# KiCad board TFLN_AI_NODE_X2_routed.kicad_pcb (continued)
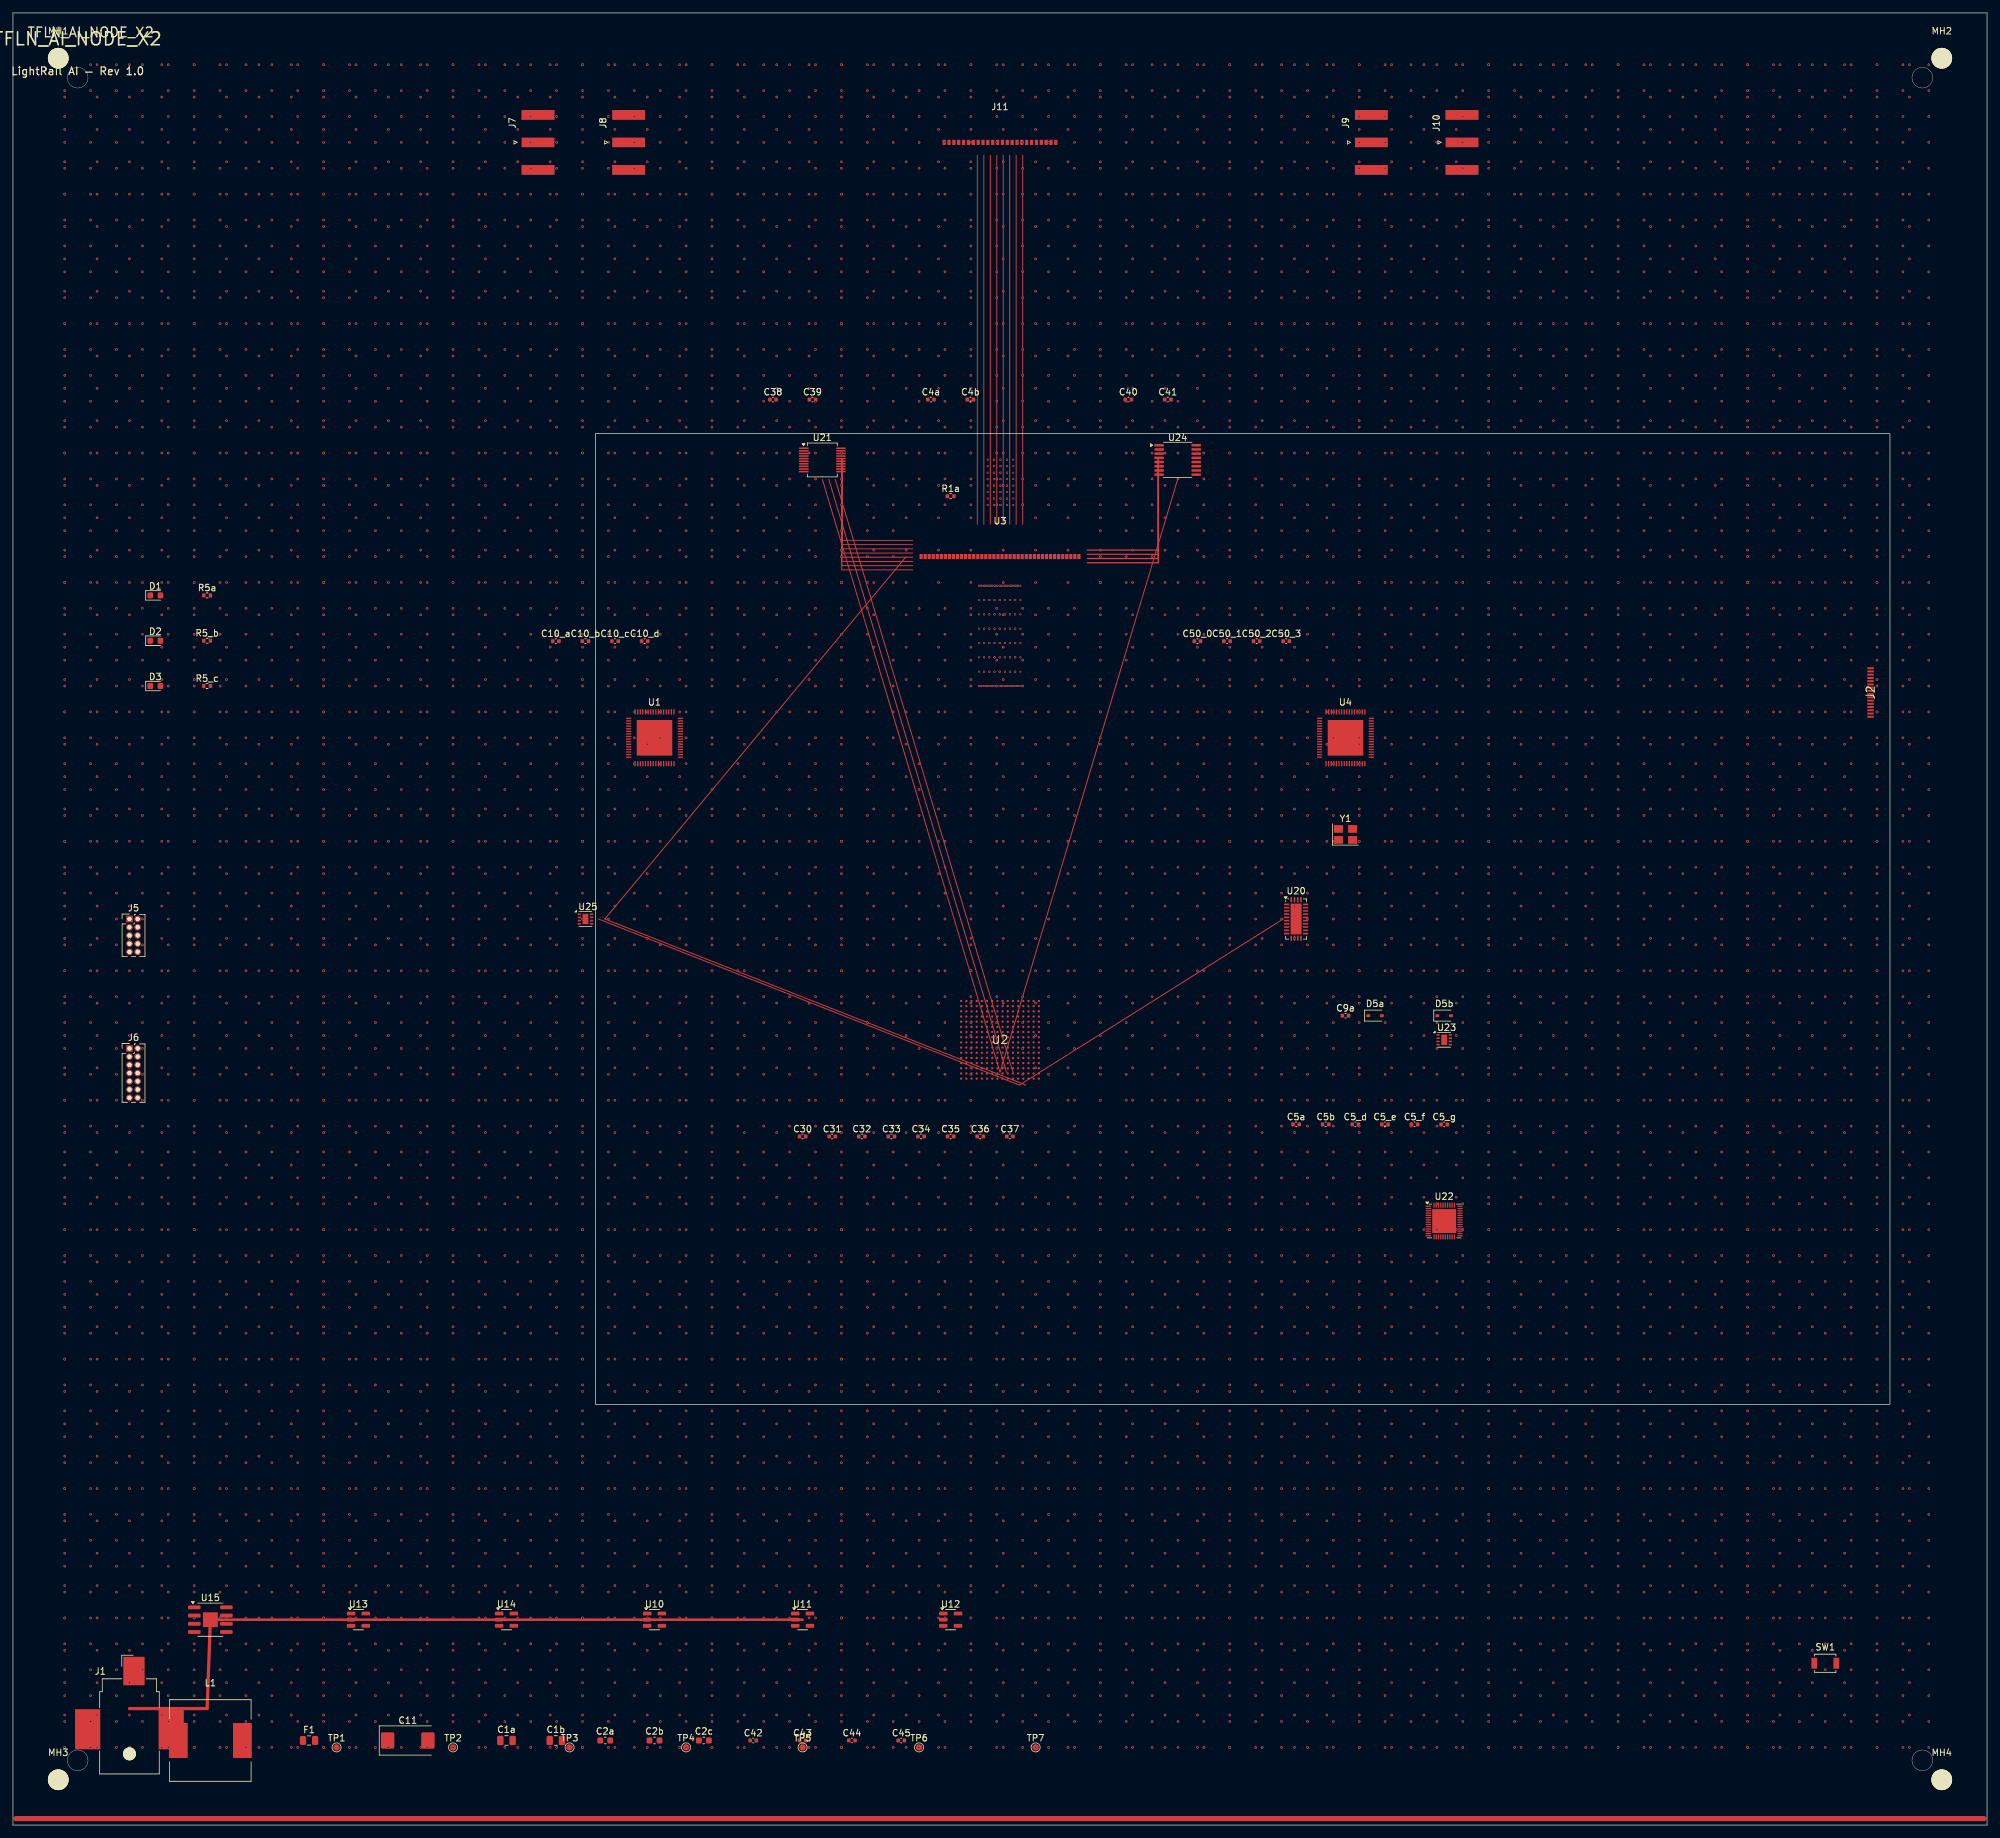
[diagram p0: board, top side]
## Nets
+0V9: C4b.1 C30.1 C31.1 C32.1 C33.1 TP6.1 U1.1 U1.2 U1.63 U4.1 U4.2 U4.63 U10.4
+1V0: C4a.1 C38.1 C39.1 C40.1 C41.1 TP5.1 U2.1 U2.2 U12.4
+1V8: C2b.1 C2c.1 C5b.1 C34.1 C35.1 C36.1 C37.1 C42.1 C43.1 C44.1 C45.1 C50_0.1 C50_1.1 C50_2.1 C50_3.1 TP4.1 U1.3 U1.4 U1.64 U2.3 U2.4 U3.1 U4.3 U4.4 U4.64 U10.1 U10.2 U11.4 U12.1 U12.2 U14.4 U20.2 U20.25 U20.26 U20.27
+3V3: C2a.1 C5_d.1 C5_e.1 C5_f.1 C5_g.1 C5a.1 J5.4 J6.1 R1a.1 R5a.1 TP3.1 U11.1 U11.2 U13.4 U14.1 U14.2 U20.1 U20.13 U21.1 U21.2 U21.17 U22.1 U22.2 U23.3 U23.7 U23.8 U24.1 U24.2 U24.13 U24.14 U25.1 Y1.1 Y1.2
+5V: C1b.1 L1.2 TP2.1 U13.1 U13.2
+5V_USB: J2.1
+12V: C1a.1 C11.1 F1.2 TP1.1 U15.2 U15.3
+12V_RAW: F1.1 J1.1
GND: C1a.2 C1b.2 C2a.2 C2b.2 C2c.2 C4a.2 C4b.2 C5_d.2 C5_e.2 C5_f.2 C5_g.2 C5a.2 C5b.2 C9a.2 C11.2 C30.2 C31.2 C32.2 C33.2 C34.2 C35.2 C36.2 C37.2 C38.2 C39.2 C40.2 C41.2 C42.2 C43.2 C44.2 C45.2 C50_0.2 C50_1.2 C50_2.2 C50_3.2 D1.2 D2.2 D3.2 D5a.2 D5b.2 J1.2 J2.8 J2.9 J5.2 J5.6 J6.2 J7.2 J8.2 J9.2 J10.2 SW1.2 TP7.1 U1.5 U1.6 U1.7 U1.8 U1.61 U1.62 U2.5 U2.6 U2.7 U2.8 U3.2 U3.3 U4.5 U4.6 U4.7 U4.8 U4.61 U4.62 U10.3 U11.5 U12.5 U13.5 U14.5 U15.4 U15.7 U20.3 U20.4 U20.6 U20.7 U20.8 U20.28 U21.3 U21.4 U21.18 U22.3 U22.4 U23.4 U24.3 U24.4 U24.12 U25.2 U25.6 U25.8 Y1.3
AXI_ACLK: U1.9 U2.9
AXI_ACLK_B: U4.9
AXI_ARADDR: U1.19
AXI_ARADDR_B: U4.19
AXI_ARESETN: U1.10 U2.10
AXI_ARESETN_B: U4.10
AXI_ARREADY: U1.21
AXI_ARREADY_B: U4.21
AXI_ARVALID: U1.20
AXI_ARVALID_B: U4.20
AXI_AWADDR: U1.11 U2.11
AXI_AWADDR_B: U4.11
AXI_AWREADY: U1.13
AXI_AWREADY_B: U4.13
AXI_AWVALID: U1.12 U2.12
AXI_AWVALID_B: U4.12
AXI_BRESP: U1.17
AXI_BRESP_B: U4.17
AXI_BVALID: U1.18
AXI_BVALID_B: U4.18
AXI_RDATA: U1.22 U2.15
AXI_RDATA_B: U4.22
AXI_RVALID: U1.23 U2.16
AXI_RVALID_B: U4.23
AXI_WDATA: U1.14 U2.13
AXI_WDATA_B: U4.14
AXI_WREADY: U1.16
AXI_WREADY_B: U4.16
AXI_WVALID: U1.15 U2.14
AXI_WVALID_B: U4.15
BOOT_5V: U15.1
CLK_12M: U22.11
CLK_12M_OUT: U22.12
CLK_100M: U20.5 Y1.4
CLK_100M_BUF: U20.23
CLK_100M_BUF_N: U20.24
CLK_CORE: U1.24 U2.25 U4.24 U20.15
CLK_CORE_N: U20.16
CLK_HBM: U20.21
CLK_HBM_N: U20.22
CLK_REF: U1.25 U2.26 U4.25 U20.17
CLK_REF_N: U20.18
CLK_SERDES: U20.19
CLK_SERDES_N: U20.20
COMP_5V: U15.6
DAC_V1: U3.12 U24.5
DAC_V2: U3.13 U24.6
DAC_V3: U3.14 U24.7
DAC_V4: U3.15 U24.8
FB_5V: U15.5
FLASH_CS: U2.20 U23.1
FLASH_MISO: U2.18 U23.2
FLASH_MOSI: U2.17 U23.5
FLASH_SCK: U2.19 U23.6
FPGA_GPIO0: J6.3 U2.29
FPGA_GPIO1: J6.4 U2.30
FPGA_GPIO2: J6.5 U2.31
FPGA_GPIO3: J6.6 U2.32
FT_PWREN: U22.21
FT_RXLED: R5_c.1 U22.23
FT_TXLED: R5_b.1 U22.22
HBM_DQ0: U1.41
HBM_DQ0_B: U4.41
HBM_DQ1: U1.42
HBM_DQ1_B: U4.42
HBM_DQ2: U1.43
HBM_DQ2_B: U4.43
HBM_DQ3: U1.44
HBM_DQ3_B: U4.44
HBM_DQ4: U1.45
HBM_DQ4_B: U4.45
HBM_DQ5: U1.46
HBM_DQ5_B: U4.46
HBM_DQ6: U1.47
HBM_DQ6_B: U4.47
HBM_DQ7: U1.48
HBM_DQ7_B: U4.48
I2C_SCL: J6.13 U1.49 U4.49 U20.10 U25.4
I2C_SDA: J6.14 U1.50 U4.50 U20.9 U25.3
JTAG_TCK: J5.1 U1.26 U2.21
JTAG_TCK_B: U4.26
JTAG_TDI: J5.9 U1.28 U2.23
JTAG_TDI_B: U4.28
JTAG_TDO: J5.3 U1.29 U2.24
JTAG_TDO_B: U4.29
JTAG_TMS: J5.5 U1.27 U2.22
JTAG_TMS_B: U4.27
JTAG_TRST: J5.10
LED_A: D1.1 R5a.2
LED_D2: D2.1 R5_b.2
LED_D3: D3.1 R5_c.2
MON_CH0: U3.25 U21.5
MON_CH1: U3.26 U21.6
MON_CH2: U3.27 U21.7
MON_CH3: U3.28 U21.8
MON_CH4: U3.29 U21.9
MON_CH5: U3.30 U21.10
MON_CH6: U3.31 U21.11
MON_CH7: U3.32 U21.12
NCE_GPIO0: U1.53
NCE_GPIO0_B: U4.53
NCE_GPIO1: U1.54
NCE_GPIO1_B: U4.54
NCE_GPIO2: U1.55
NCE_GPIO2_B: U4.55
NCE_GPIO3: U1.56
NCE_GPIO3_B: U4.56
NCE_PG: U1.58
NCE_PG_B: U4.58
NCE_STATUS: U1.59
NCE_STATUS_B: U4.59
NR_0V9: U10.5
NR_1V0: U12.3
NR_1V8: U11.3
NR_1V8F: U14.3
NR_3V3: U13.3
OPT_RX0: J11.5 U3.21
OPT_RX1: J11.6 U3.22
OPT_RX2: J11.7 U3.23
OPT_RX3: J11.8 U3.24
OPT_TX0: J11.1 U3.17
OPT_TX1: J11.2 U3.18
OPT_TX2: J11.3 U3.19
OPT_TX3: J11.4 U3.20
PLL_LOL: U20.12 U20.14
RESET_N: C9a.1 R1a.2 SW1.1 U1.60 U4.60 U20.11 U22.7
SMA_J7: C10_a.2 J7.1
SMA_J8: C10_b.2 J8.1
SMA_J9: C10_c.2 J9.1
SMA_J10: C10_d.2 J10.1
SPI_CLK: U1.30 U4.30 U21.13 U24.9
SPI_CS_ADC: U21.16
SPI_CS_DAC: U24.10
SPI_MISO: U1.32 U21.15
SPI_MISO_B: U4.32
SPI_MOSI: U1.31 U21.14 U24.11
SPI_MOSI_B: U4.31
SW_5V: L1.1 U15.8
TEMP_ALERT: U1.57 U25.5
TEMP_ALERT_B: U4.57
TEMP_DIODE: U3.16 U25.7
TFLN_TX_N0: C10_b.1 U1.34 U3.5
TFLN_TX_N0_B: U4.34
TFLN_TX_N1: C10_d.1 U1.36 U3.7
TFLN_TX_N1_B: U4.36
TFLN_TX_N2: U1.38 U3.9
TFLN_TX_N2_B: U4.38
TFLN_TX_N3: U1.40 U3.11
TFLN_TX_N3_B: U4.40
TFLN_TX_P0: C10_a.1 U1.33 U3.4
TFLN_TX_P0_B: U4.33
TFLN_TX_P1: C10_c.1 U1.35 U3.6
TFLN_TX_P1_B: U4.35
TFLN_TX_P2: U1.37 U3.8
TFLN_TX_P2_B: U4.37
TFLN_TX_P3: U1.39 U3.10
TFLN_TX_P3_B: U4.39
UART_CTS: U22.16
UART_RTS: U22.15
UART_RX: U1.52 U2.28 U22.14
UART_RX_B: U4.52
UART_TX: U1.51 U2.27 U22.13
UART_TX_B: U4.51
USB_DN: D5b.1 J2.5 U22.6
USB_DP: D5a.1 J2.4 U22.5

Pads without a net: J1 3; J2 2 3 6 7 10 11 12 13 14 15 16; J5 7 8; J6 7 8 9 10 11 12; J11 9 10 11 12 13 14 15 16 17 18 19 20 21 22 23 24; U1 65; U2 33 34 35 36 37 38 39 40 41 42 43 44 45 46 47 48 49 50 51 52 53 54 55 56 57 58 59 60 61 62 63 64 65 66 67 68 69 70 71 72 73 74 75 76 77 78 79 80 81 82 83 84 85 86 87 88 89 90 91 92 93 94 95 96 97 98 99 100 101 102 103 104 105 106 107 108 109 110 111 112 113 114 115 116 117 118 119 120 121 122 123 124 125 126 127 128 129 130 131 132 133 134 135 136 137 138 139 140 141 142 143 144 145 146 147 148 149 150 151 152 153 154 155 156 157 158 159 160 161 162 163 164 165 166 167 168 169 170 171 172 173 174 175 176 177 178 179 180 181 182 183 184 185 186 187 188 189 190 191 192 193 194 195 196 197 198 199 200 201 202 203 204 205 206 207 208 209 210 211 212 213 214 215 216 217 218 219 220 221 222 223 224 225 226 227 228 229 230 231 232 233 234 235 236 237 238 239 240 241 242 243 244 245 246 247 248 249 250 251 252 253 254 255 256; U3 33 34 35 36 37 38 39 40; U4 65; U15 9; U20 29; U21 19 20; U22 8 9 10 17 18 19 20 24 25 26 27 28 29 30 31 32 33 34 35 36 37 38 39 40 41 42 43 44 45 46 47 48 49; U23 9; U24 15 16; U25 9

## Via types
v1: diameter 0.4, hole 0.2, Top to Bottom, 7871 vias
v2: diameter 0.3, hole 0.15, Top to Bottom, 224 vias

## Routing (per net, layer and track width the routed paths; a pad name or vN(x,y) marks a point on that pad's centre or on a via; arc(x,y) is an arc through that point)
+0V9:
  vias: v1(96,164) v1(140,12)
+1V0:
  vias: v1(172,220)
+1V8:
  vias: v1(68,47) v1(73,47) v1(104,12) v1(143,32) v1(144,32) v1(148,127) v1(204,164)
+3V3:
  vias: v1(63,47) v1(93,37) v1(108,37) v1(183,212) v1(204,152) v1(216,108)
+5V: length 91.5
  Top w0.4: 30.5,31.73 122,31.73
  vias: v1(36,12) v1(63,27) v1(63,22) v1(68,12) v1(68,12) v1(78,37)
+12V: length 25.7
  Top w0.5: 18,18 30,18 30.5,31.73
  vias: v1(28,32) v1(28,32) v1(58,12)
+12V_RAW:
  vias: v1(18,22) v1(20,24)
GND: length 1645.5
  Top w0.15: 153,201 153,258 ; 152,201 152,258 ; 156,201 156,258
  Top w0.8: 0.5,1 304.5,1
  In4.Cu (L5 AXI_B) w0.1: 197.88,158 157.5,127.83 ; 197.88,162 157.5,125.83 ; 197.88,163 157.5,125.33 ; 197.88,164 157.5,124.83 ; 197.88,165 157.5,124.33 ; 197.88,159 157.5,127.33 ; 197.88,161 157.5,126.33 ; 197.88,160 157.5,126.83
  In5.Cu (L6 GND) w0.1: 101.12,167.78 150.5,167.78 ; 101.12,168 150.5,168
  In5.Cu (L6 GND) w0.15: 101.12,167.87 150.5,167.87 ; 101.12,166.36 150.5,166.36 ; 101.12,168.27 150.5,168.27
  In6.Cu (L7 TFLN/HBM) w0.1: v2(151.3,191.5) v2(151.3,176) ; v2(151.1,191.5) v2(151.1,176) ; 152,203.97 152,211.97 ; 152.2,203.97 152.2,211.97 ; v2(152.1,191.5) v2(152.1,176) ; 153,203.97 153,211.97 ; v2(151.9,191.5) v2(151.9,176) ; 153.2,203.97 153.2,211.97
  In6.Cu (L7 TFLN/HBM) w0.15: 152.4,203.97 152.4,211.97 ; 151.4,203.97 151.4,211.97 ; 153.75,203.97 153.75,211.97 ; 154.4,203.97 154.4,211.97 ; 151.72,191.5 151.72,176 ; 152.75,203.97 152.75,211.97 ; 151.57,191.5 151.57,176 ; 153.4,203.97 153.4,211.97 ; 150.77,191.5 150.77,176 ; 152.37,191.5 152.37,176 ; 151.75,203.97 151.75,211.97 ; 150.75,203.97 150.75,211.97 ; 150.93,191.5 150.93,176
  In7.Cu (L8 TFLN_B/HBM_B) w0.1: v2(152.9,191.5) v2(152.9,176) ; v2(152.7,191.5) v2(152.7,176) ; v2(153.5,191.5) v2(153.5,176) ; v2(155.3,191.5) v2(155.3,176) ; v2(154.3,191.5) v2(154.3,176) ; v2(155.1,191.5) v2(155.1,176) ; v2(154.5,191.5) v2(154.5,176) ; v2(153.7,191.5) v2(153.7,176)
  In7.Cu (L8 TFLN_B/HBM_B) w0.15: 154.12,191.5 154.12,176 ; 153.97,191.5 153.97,176 ; 154.77,191.5 154.77,176 ; 154.93,191.5 154.93,176 ; 153.32,191.5 153.32,176 ; 153.17,191.5 153.17,176 ; 155.57,191.5 155.57,176 ; 152.53,191.5 152.53,176
  In16.Cu (L17 Sig) w0.1: 147.5,119.93 157.5,119.93
  vias: v1(8,272) v1(8,272) v1(8,268) v1(8,267) v1(8,264) v1(8,262) v1(8,260) v1(8,257) v1(8,256) v1(8,252) v1(8,252) v1(8,248) v1(8,247) v1(8,244) v1(8,242) v1(8,240) v1(8,237) v1(8,236) v1(8,232) v1(8,232) v1(8,228) v1(8,227) v1(8,224) v1(8,222) v1(8,220) v1(8,217) v1(8,216) v1(8,212) v1(8,212) v1(8,208) v1(8,207) v1(8,204) v1(8,202) v1(8,200) v1(8,197) v1(8,196) v1(8,192) v1(8,192) v1(8,188) v1(8,187) v1(8,184) v1(8,182) v1(8,180) v1(8,177) v1(8,176) v1(8,172) v1(8,172) v1(8,168) v1(8,167) v1(8,164) v1(8,162) v1(8,160) v1(8,157) v1(8,156) v1(8,152) v1(8,152) v1(8,148) v1(8,147) v1(8,144) v1(8,142) v1(8,140) v1(8,137) v1(8,136) v1(8,132) v1(8,132) v1(8,128) v1(8,127) v1(8,124) v1(8,122) v1(8,120) v1(8,117) v1(8,116) v1(8,112) v1(8,112) v1(8,108) v1(8,107) v1(8,104) v1(8,102) v1(8,100) v1(8,97) v1(8,96) v1(8,92) v1(8,92) v1(8,88) v1(8,87) v1(8,84) v1(8,82) v1(8,80) v1(8,77) v1(8,76) v1(8,72) v1(8,72) v1(8,68) v1(8,67) v1(8,64) v1(8,62) v1(8,60) v1(8,57) v1(8,56) v1(8,52) v1(8,52) v1(8,48) v1(8,47) v1(8,44) v1(8,42) v1(8,40) v1(8,37) v1(8,36) v1(8,32) v1(8,32) v1(8,28) v1(8,27) v1(8,24) v1(8,22) v1(8,20) v1(8,17) v1(8,16) v1(8,12) v1(8,12) v1(12,272) v1(12,268) v1(12,264) v1(12,260) v1(12,256) v1(12,252) v1(12,248) v1(12,244) v1(12,240) v1(12,236) v1(12,232) v1(12,228) v1(12,224) v1(12,220) v1(12,216) v1(12,212) v1(12,208) v1(12,204) v1(12,200) v1(12,196) v1(12,192) v1(12,188) v1(12,184) v1(12,180) v1(12,176) v1(12,172) v1(12,168) v1(12,164) v1(12,160) v1(12,156) v1(12,152) v1(12,148) v1(12,144) v1(12,140) v1(12,136) v1(12,132) v1(12,128) v1(12,124) v1(12,120) v1(12,116) v1(12,112) v1(12,108) v1(12,104) v1(12,100) v1(12,96) v1(12,92) v1(12,88) v1(12,84) v1(12,80) v1(12,76) v1(12,72) v1(12,68) v1(12,64) v1(12,60) v1(12,56) v1(12,52) v1(12,48) v1(12,44) v1(12,40) v1(12,36) v1(12,32) v1(12,28) v1(12,24) v1(12,20) v1(12,16) v1(12,12) v1(13,272) v1(13,267) v1(13,262) v1(13,257) v1(13,252) v1(13,247) v1(13,242) v1(13,237) v1(13,232) v1(13,227) v1(13,222) v1(13,217) v1(13,212) v1(13,207) v1(13,202) v1(13,197) v1(13,192) v1(13,187) v1(13,182) v1(13,177) v1(13,172) v1(13,167) v1(13,162) v1(13,157) v1(13,152) v1(13,147) v1(13,142) v1(13,137) v1(13,132) v1(13,127) v1(13,122) v1(13,117) v1(13,112) v1(13,107) v1(13,102) v1(13,97) v1(13,92) v1(13,87) v1(13,82) v1(13,77) v1(13,72) v1(13,67) v1(13,62) v1(13,57) v1(13,52) v1(13,47) v1(13,42) v1(13,37) v1(13,32) v1(13,27) v1(13,22) v1(13,17) v1(13,12) v1(16,272) v1(16,268) v1(16,264) v1(16,260) v1(16,256) v1(16,252) v1(16,248) v1(16,244) v1(16,240) v1(16,236) v1(16,232) v1(16,228) v1(16,224) v1(16,220) v1(16,216) v1(16,212) v1(16,208) v1(16,204) v1(16,200) v1(16,196) v1(16,192) v1(16,188) v1(16,184) v1(16,180) v1(16,176) v1(16,172) v1(16,168) v1(16,164) v1(16,160) v1(16,156) v1(16,152) v1(16,148) v1(16,144) v1(16,140) v1(16,136) v1(16,132) v1(16,128) v1(16,124) v1(16,120) v1(16,116) v1(16,112) v1(16,108) v1(16,104) v1(16,100) v1(16,96) v1(16,92) v1(16,88) v1(16,84) v1(16,80) v1(16,76) v1(16,72) v1(16,68) v1(16,64) v1(16,60) v1(16,56) v1(16,52) v1(16,48) v1(16,44) v1(16,40) v1(16,36) v1(16,32) v1(16,28) v1(16,24) v1(16,20) v1(16,16) v1(16,12) v1(18,272) v1(18,267) v1(18,262) v1(18,257) v1(18,252) v1(18,247) v1(18,242) v1(18,237) v1(18,232) v1(18,227) v1(18,222) v1(18,217) v1(18,212) v1(18,207) v1(18,202) v1(18,197) v1(18,192) v1(18,187) v1(18,182) v1(18,177) v1(18,172) v1(18,167) v1(18,162) v1(18,157) v1(18,152) v1(18,147) v1(18,142) v1(18,132) v1(18,127) v1(18,122) v1(18,107) v1(18,102) v1(18,97) v1(18,92) v1(18,87) v1(18,82) v1(18,77) v1(18,72) v1(18,67) v1(18,62) v1(18,57) v1(18,52) v1(18,47) v1(18,42) v1(18,37) v1(18,32) v1(18,27) v1(18,17) v1(18,12) v1(20,272) v1(20,268) v1(20,264) v1(20,260) v1(20,256) v1(20,252) v1(20,248) v1(20,244) v1(20,240) v1(20,236) v1(20,232) v1(20,228) v1(20,224) v1(20,220) v1(20,216) v1(20,212) v1(20,208) v1(20,204) v1(20,200) v1(20,196) v1(20,192) v1(20,188) v1(20,184) v1(20,180) v1(20,176) v1(20,172) v1(20,168) v1(20,164) v1(20,160) v1(20,156) v1(20,152) v1(20,148) v1(20,144) v1(20,140) v1(20,136) v1(20,132) v1(20,128) v1(20,124) v1(20,120) v1(20,116) v1(20,112) v1(20,108) v1(20,104) v1(20,100) v1(20,96) v1(20,92) v1(20,88) v1(20,84) v1(20,80) v1(20,76) v1(20,72) v1(20,68) v1(20,64) v1(20,60) v1(20,56) v1(20,52) v1(20,48) v1(20,44) v1(20,40) v1(20,36) v1(20,32) v1(20,28) v1(20,20) v1(20,16) v1(20,12) v1(23,272) v1(23,267) v1(23,262) v1(23,257) v1(23,252) v1(23,247) v1(23,242) v1(23,237) v1(23,232) v1(23,227) v1(23,222) v1(23,217) v1(23,212) v1(23,207) v1(23,202) v1(23,197) v1(23,192) v1(23,187) v1(23,182) v1(23,177) v1(23,172) v1(23,167) v1(23,162) v1(23,157) v1(23,152) v1(23,147) v1(23,142) v1(23,137) v1(23,132) v1(23,127) v1(23,122) v1(23,117) v1(23,112) v1(23,107) v1(23,102) v1(23,97) v1(23,92) v1(23,87) v1(23,82) v1(23,77) v1(23,72) v1(23,67) v1(23,62) v1(23,57) v1(23,52) v1(23,47) v1(23,42) v1(23,37) v1(23,32) v1(23,27) v1(23,22) v1(23,17) v1(23,12) v1(24,272) v1(24,268) v1(24,264) v1(24,260) v1(24,256) v1(24,252) v1(24,248) v1(24,244) v1(24,240) v1(24,236) v1(24,232) v1(24,228) v1(24,224) v1(24,220) v1(24,216) v1(24,212) v1(24,208) v1(24,204) v1(24,200) v1(24,196) v1(24,192) v1(24,188) v1(24,184) v1(24,180) v1(24,176) v1(24,172) v1(24,168) v1(24,164) v1(24,160) v1(24,156) v1(24,152) v1(24,148) v1(24,144) v1(24,140) v1(24,136) v1(24,132) v1(24,128) v1(24,124) v1(24,120) v1(24,116) v1(24,112) v1(24,108) v1(24,104) v1(24,100) v1(24,96) v1(24,92) v1(24,88) v1(24,84) v1(24,80) v1(24,76) v1(24,72) v1(24,68) v1(24,64) v1(24,60) v1(24,56) v1(24,52) v1(24,48) v1(24,44) v1(24,40) v1(24,36) v1(24,32) v1(24,28) v1(24,24) v1(24,20) v1(24,16) v1(24,12) v1(28,272) v1(28,272) v1(28,268) v1(28,267) v1(28,264) v1(28,262) v1(28,260) v1(28,257) v1(28,256) v1(28,252) v1(28,252) v1(28,248) v1(28,247) v1(28,244) v1(28,242) v1(28,240) v1(28,237) v1(28,236) v1(28,232) v1(28,232) v1(28,228) v1(28,227) v1(28,224) v1(28,222) v1(28,220) v1(28,217) v1(28,216) v1(28,212) v1(28,212) v1(28,208) v1(28,207) v1(28,204) v1(28,202) v1(28,200) v1(28,197) v1(28,196) v1(28,192) v1(28,192) v1(28,188) v1(28,187) v1(28,184) v1(28,182) v1(28,180) v1(28,177) v1(28,176) v1(28,172) v1(28,172) v1(28,168) v1(28,167) v1(28,164) v1(28,162) v1(28,160) v1(28,157) v1(28,156) v1(28,152) v1(28,152) v1(28,148) v1(28,147) v1(28,144) v1(28,142) v1(28,140) v1(28,137) v1(28,136) v1(28,132) v1(28,132) v1(28,128) v1(28,127) v1(28,124) v1(28,122) v1(28,120) v1(28,117) v1(28,116) v1(28,112) v1(28,112) v1(28,108) v1(28,107) v1(28,104) v1(28,102) v1(28,100) v1(28,97) v1(28,96) v1(28,92) v1(28,92) v1(28,88) v1(28,87) v1(28,84) v1(28,82) v1(28,80) v1(28,77) v1(28,76) v1(28,72) v1(28,72) v1(28,68) v1(28,67) v1(28,64) v1(28,62) v1(28,60) v1(28,57) v1(28,56) v1(28,52) v1(28,52) v1(28,48) v1(28,47) v1(28,44) v1(28,42) v1(28,40) v1(28,37) v1(28,36) v1(28,28) v1(28,27) v1(28,24) v1(28,22) v1(28,20) v1(28,17) v1(28,16) v1(28,12) v1(28,12) v1(32,272) v1(32,268) v1(32,264) v1(32,260) v1(32,256) v1(32,252) v1(32,248) v1(32,244) v1(32,240) v1(32,236) v1(32,232) v1(32,228) v1(32,224) v1(32,220) v1(32,216) v1(32,212) v1(32,208) v1(32,204) v1(32,200) v1(32,196) v1(32,192) v1(32,188) v1(32,184) v1(32,180) v1(32,176) v1(32,172) v1(32,168) v1(32,164) v1(32,160) v1(32,156) v1(32,152) v1(32,148) v1(32,144) v1(32,140) v1(32,136) v1(32,132) v1(32,128) v1(32,124) v1(32,120) v1(32,116) v1(32,112) v1(32,108) v1(32,104) v1(32,100) v1(32,96) v1(32,92) v1(32,88) v1(32,84) v1(32,80) v1(32,76) v1(32,72) v1(32,68) v1(32,64) v1(32,60) v1(32,56) v1(32,52) v1(32,48) v1(32,44) v1(32,40) v1(32,36) v1(32,32) v1(32,28) v1(32,24) v1(32,20) v1(32,16) v1(32,12) v1(33,272) v1(33,267) v1(33,262) v1(33,257) v1(33,252) v1(33,247) v1(33,242) v1(33,237) v1(33,232) v1(33,227) v1(33,222) v1(33,217) v1(33,212) v1(33,207) v1(33,202) v1(33,197) v1(33,192) v1(33,187) v1(33,182) v1(33,177) v1(33,172) v1(33,167) v1(33,162) v1(33,157) v1(33,152) v1(33,147) v1(33,142) v1(33,137) v1(33,132) v1(33,127) v1(33,122) v1(33,117) v1(33,112) v1(33,107) v1(33,102) v1(33,97) v1(33,92) v1(33,87) v1(33,82) v1(33,77) v1(33,72) v1(33,67) v1(33,62) v1(33,57) v1(33,52) v1(33,47) v1(33,42) v1(33,37) v1(33,32) v1(33,27) v1(33,22) v1(33,17) v1(33,12) v1(36,272) v1(36,268) v1(36,264) v1(36,260) v1(36,256) v1(36,252) v1(36,248) v1(36,244) v1(36,240) v1(36,236) v1(36,232) v1(36,228) v1(36,224) v1(36,220) v1(36,216) v1(36,212) v1(36,208) v1(36,204) v1(36,200) v1(36,196) v1(36,192) v1(36,188) v1(36,184) v1(36,180) v1(36,176) v1(36,172) v1(36,168) v1(36,164) v1(36,160) v1(36,156) v1(36,152) v1(36,148) v1(36,144) v1(36,140) v1(36,136) v1(36,132) v1(36,128) v1(36,124) v1(36,120) v1(36,116) v1(36,112) v1(36,108) v1(36,104) v1(36,100) v1(36,96) v1(36,92) v1(36,88) v1(36,84) v1(36,80) v1(36,76) v1(36,72) v1(36,68) v1(36,64) v1(36,60) v1(36,56) v1(36,52) v1(36,48) v1(36,44) v1(36,40) v1(36,36) v1(36,32) v1(36,28) v1(36,24) v1(36,20) v1(36,16) v1(38,272) v1(38,267) v1(38,262) v1(38,257) v1(38,252) v1(38,247) v1(38,242) v1(38,237) v1(38,232) v1(38,227) v1(38,222) v1(38,217) v1(38,212) v1(38,207) v1(38,202) v1(38,197) v1(38,192) v1(38,187) v1(38,182) v1(38,177) v1(38,172) v1(38,167) v1(38,162) v1(38,157) v1(38,152) v1(38,147) v1(38,142) v1(38,137) v1(38,132) v1(38,127) v1(38,122) v1(38,117) v1(38,112) v1(38,107) v1(38,102) v1(38,97) v1(38,92) v1(38,87) v1(38,82) v1(38,77) v1(38,72) v1(38,67) v1(38,62) v1(38,57) v1(38,52) v1(38,47) v1(38,42) v1(38,37) v1(38,32) v1(38,27) v1(38,22) v1(38,17) v1(38,12) v1(40,272) v1(40,268) v1(40,264) v1(40,260) v1(40,256) v1(40,252) v1(40,248) v1(40,244) v1(40,240) v1(40,236) v1(40,232) v1(40,228) v1(40,224) v1(40,220) v1(40,216) v1(40,212) v1(40,208) v1(40,204) v1(40,200) v1(40,196) v1(40,192) v1(40,188) v1(40,184) v1(40,180) v1(40,176) v1(40,172) v1(40,168) v1(40,164) v1(40,160) v1(40,156) v1(40,152) v1(40,148) v1(40,144) v1(40,140) v1(40,136) v1(40,132) v1(40,128) v1(40,124) v1(40,120) v1(40,116) v1(40,112) v1(40,108) v1(40,104) v1(40,100) v1(40,96) v1(40,92) v1(40,88) v1(40,84) v1(40,80) v1(40,76) v1(40,72) v1(40,68) v1(40,64) v1(40,60) v1(40,56) v1(40,52) v1(40,48) v1(40,44) v1(40,40) v1(40,36) v1(40,32) v1(40,28) v1(40,24) v1(40,20) v1(40,16) v1(40,12) v1(43,272) v1(43,267) v1(43,262) v1(43,257) v1(43,252) v1(43,247) v1(43,242) v1(43,237) v1(43,232) v1(43,227) v1(43,222) v1(43,217) v1(43,212) v1(43,207) v1(43,202) v1(43,197) v1(43,192) v1(43,187) v1(43,182) v1(43,177) v1(43,172) v1(43,167) v1(43,162) v1(43,157) v1(43,152) v1(43,147) v1(43,142) v1(43,137) v1(43,132) v1(43,127) v1(43,122) v1(43,117) v1(43,112) v1(43,107) v1(43,102) v1(43,97) v1(43,92) v1(43,87) v1(43,82) v1(43,77) v1(43,72) v1(43,67) v1(43,62) v1(43,57) v1(43,52) v1(43,47) v1(43,42) v1(43,37) v1(43,32) v1(43,27) v1(43,22) v1(43,17) v1(43,12) v1(44,272) v1(44,268) v1(44,264) v1(44,260) v1(44,256) v1(44,252) v1(44,248) v1(44,244) v1(44,240) v1(44,236) v1(44,232) v1(44,228) v1(44,224) v1(44,220) v1(44,216) v1(44,212) v1(44,208) v1(44,204) v1(44,200) v1(44,196) v1(44,192) v1(44,188) v1(44,184) v1(44,180) v1(44,176) v1(44,172) v1(44,168) v1(44,164) v1(44,160) v1(44,156) v1(44,152) v1(44,148) v1(44,144) v1(44,140) v1(44,136) v1(44,132) v1(44,128) v1(44,124) v1(44,120) v1(44,116) v1(44,112) v1(44,108) v1(44,104) v1(44,100) v1(44,96) v1(44,92) v1(44,88) v1(44,84) v1(44,80) v1(44,76) v1(44,72) v1(44,68) v1(44,64) v1(44,60) v1(44,56) v1(44,52) v1(44,48) v1(44,44) v1(44,40) v1(44,36) v1(44,32) v1(44,28) v1(44,24) v1(44,20) v1(44,16) v1(44,12) v1(48,272) v1(48,272) v1(48,268) v1(48,267) v1(48,264) v1(48,262) v1(48,260) v1(48,257) v1(48,256) v1(48,252) v1(48,252) v1(48,248) v1(48,247) v1(48,244) v1(48,242) v1(48,240) v1(48,237) v1(48,236) v1(48,232) v1(48,232) v1(48,228) v1(48,227) v1(48,224) v1(48,222) v1(48,220) v1(48,217) v1(48,216) v1(48,212) v1(48,212) v1(48,208) v1(48,207) v1(48,204) v1(48,202) v1(48,200) v1(48,197) v1(48,196) v1(48,192) v1(48,192) v1(48,188) v1(48,187) v1(48,184) v1(48,182) v1(48,180) v1(48,177) v1(48,176) v1(48,172) v1(48,172) v1(48,168) v1(48,167) v1(48,164) v1(48,162) v1(48,160) v1(48,157) v1(48,156) v1(48,152) v1(48,152) v1(48,148) v1(48,147) v1(48,144) v1(48,142) v1(48,140) v1(48,137) v1(48,136) v1(48,132) v1(48,132) v1(48,128) v1(48,127) v1(48,124) v1(48,122) v1(48,120) v1(48,117) v1(48,116) v1(48,112) v1(48,112) v1(48,108) v1(48,107) v1(48,104) v1(48,102) v1(48,100) v1(48,97) v1(48,96) v1(48,92) v1(48,92) v1(48,88) v1(48,87) v1(48,84) v1(48,82) v1(48,80) v1(48,77) v1(48,76) v1(48,72) v1(48,72) v1(48,68) v1(48,67) v1(48,64) v1(48,62) v1(48,60) v1(48,57) v1(48,56) v1(48,52) v1(48,52) v1(48,48) v1(48,47) v1(48,44) v1(48,42) v1(48,40) v1(48,37) v1(48,36) v1(48,32) v1(48,32) v1(48,28) v1(48,27) v1(48,24) v1(48,22) v1(48,20) v1(48,17) v1(48,16) v1(48,12) v1(48,12) v1(52,272) v1(52,268) v1(52,264) v1(52,260) v1(52,256) v1(52,252) v1(52,248) v1(52,244) v1(52,240) v1(52,236) v1(52,232) v1(52,228) v1(52,224) v1(52,220) v1(52,216) v1(52,212) v1(52,208) v1(52,204) v1(52,200) v1(52,196) v1(52,192) v1(52,188) v1(52,184) v1(52,180) v1(52,176) v1(52,172) v1(52,168) v1(52,164) v1(52,160) v1(52,156) v1(52,152) v1(52,148) v1(52,144) v1(52,140) v1(52,136) v1(52,132) v1(52,128) v1(52,124) v1(52,120) v1(52,116) v1(52,112) v1(52,108) v1(52,104) v1(52,100) v1(52,96) v1(52,92) v1(52,88) v1(52,84) v1(52,80) v1(52,76) v1(52,72) v1(52,68) v1(52,64) v1(52,60) v1(52,56) v1(52,52) v1(52,48) v1(52,44) v1(52,40) v1(52,36) v1(52,32) v1(52,28) v1(52,24) v1(52,20) v1(52,16) v1(52,12) v1(53,272) v1(53,267) v1(53,262) v1(53,257) v1(53,252) v1(53,247) v1(53,242) v1(53,237) v1(53,232) v1(53,227) v1(53,222) v1(53,217) v1(53,212) v1(53,207) v1(53,202) v1(53,197) v1(53,192) v1(53,187) v1(53,182) v1(53,177) v1(53,172) v1(53,167) v1(53,162) v1(53,157) v1(53,152) v1(53,147) v1(53,142) v1(53,137) v1(53,132) v1(53,127) v1(53,122) v1(53,117) v1(53,112) v1(53,107) v1(53,102) v1(53,97) v1(53,92) v1(53,87) v1(53,82) v1(53,77) v1(53,72) v1(53,67) v1(53,62) v1(53,57) v1(53,52) v1(53,47) v1(53,42) v1(53,37) v1(53,32) v1(53,17) v1(53,12) v1(56,272) v1(56,268) v1(56,264) v1(56,260) v1(56,256) v1(56,252) v1(56,248) v1(56,244) v1(56,240) v1(56,236) v1(56,232) v1(56,228) v1(56,224) v1(56,220) v1(56,216) v1(56,212) v1(56,208) v1(56,204) v1(56,200) v1(56,196) v1(56,192) v1(56,188) v1(56,184) v1(56,180) v1(56,176) v1(56,172) v1(56,168) v1(56,164) v1(56,160) v1(56,156) v1(56,152) v1(56,148) v1(56,144) v1(56,140) v1(56,136) v1(56,132) v1(56,128) v1(56,124) v1(56,120) v1(56,116) v1(56,112) v1(56,108) v1(56,104) v1(56,100) v1(56,96) v1(56,92) v1(56,88) v1(56,84) v1(56,80) v1(56,76) v1(56,72) v1(56,68) v1(56,64) v1(56,60) v1(56,56) v1(56,52) v1(56,48) v1(56,44) v1(56,40) v1(56,36) v1(56,32) v1(56,28) v1(56,24) v1(56,20) v1(56,16) v1(56,12) v1(58,272) v1(58,267) v1(58,262) v1(58,257) v1(58,252) v1(58,247) v1(58,242) v1(58,237) v1(58,232) v1(58,227) v1(58,222) v1(58,217) v1(58,212) v1(58,207) v1(58,202) v1(58,197) v1(58,192) v1(58,187) v1(58,182) v1(58,177) v1(58,172) v1(58,167) v1(58,162) v1(58,157) v1(58,152) v1(58,147) v1(58,142) v1(58,137) v1(58,132) v1(58,127) v1(58,122) v1(58,117) v1(58,112) v1(58,107) v1(58,102) v1(58,97) v1(58,92) v1(58,87) v1(58,82) v1(58,77) v1(58,72) v1(58,67) v1(58,62) v1(58,57) v1(58,52) v1(58,47) v1(58,42) v1(58,37) v1(58,32) v1(58,27) v1(58,22) v1(58,17) v1(60,272) v1(60,268) v1(60,264) v1(60,260) v1(60,256) v1(60,252) v1(60,248) v1(60,244) v1(60,240) v1(60,236) v1(60,232) v1(60,228) v1(60,224) v1(60,220) v1(60,216) v1(60,212) v1(60,208) v1(60,204) v1(60,200) v1(60,196) v1(60,192) v1(60,188) v1(60,184) v1(60,180) v1(60,176) v1(60,172) v1(60,168) v1(60,164) v1(60,160) v1(60,156) v1(60,152) v1(60,148) v1(60,144) v1(60,140) v1(60,136) v1(60,132) v1(60,128) v1(60,124) v1(60,120) v1(60,116) v1(60,112) v1(60,108) v1(60,104) v1(60,100) v1(60,96) v1(60,92) v1(60,88) v1(60,84) v1(60,80) v1(60,76) v1(60,72) v1(60,68) v1(60,64) v1(60,60) v1(60,56) v1(60,52) v1(60,48) v1(60,44) v1(60,40) v1(60,36) v1(60,32) v1(60,28) v1(60,24) v1(60,20) v1(60,16) v1(60,12) v1(63,272) v1(63,267) v1(63,262) v1(63,257) v1(63,252) v1(63,247) v1(63,242) v1(63,237) v1(63,232) v1(63,227) v1(63,222) v1(63,217) v1(63,212) v1(63,207) v1(63,202) v1(63,197) v1(63,192) v1(63,187) v1(63,182) v1(63,177) v1(63,172) v1(63,167) v1(63,162) v1(63,157) v1(63,152) v1(63,147) v1(63,142) v1(63,137) v1(63,132) v1(63,127) v1(63,122) v1(63,117) v1(63,112) v1(63,107) v1(63,102) v1(63,97) v1(63,92) v1(63,87) v1(63,82) v1(63,77) v1(63,72) v1(63,67) v1(63,62) v1(63,57) v1(63,52) v1(63,42) v1(63,37) v1(63,32) v1(63,17) v1(63,12) v1(64,272) v1(64,268) v1(64,264) v1(64,260) v1(64,256) v1(64,252) v1(64,248) v1(64,244) v1(64,240) v1(64,236) v1(64,232) v1(64,228) v1(64,224) v1(64,220) v1(64,216) v1(64,212) v1(64,208) v1(64,204) v1(64,200) v1(64,196) v1(64,192) v1(64,188) v1(64,184) v1(64,180) v1(64,176) v1(64,172) v1(64,168) v1(64,164) v1(64,160) v1(64,156) v1(64,152) v1(64,148) v1(64,144) v1(64,140) v1(64,136) v1(64,132) v1(64,128) v1(64,124) v1(64,120) v1(64,116) v1(64,112) v1(64,108) v1(64,104) v1(64,100) v1(64,96) v1(64,92) v1(64,88) v1(64,84) v1(64,80) v1(64,76) v1(64,72) v1(64,68) v1(64,64) v1(64,60) v1(64,56) v1(64,52) v1(64,48) v1(64,44) v1(64,40) v1(64,36) v1(64,32) v1(64,28) v1(64,24) v1(64,20) v1(64,16) v1(64,12) v1(68,272) v1(68,272) v1(68,268) v1(68,267) v1(68,264) v1(68,262) v1(68,260) v1(68,257) v1(68,256) v1(68,252) v1(68,252) v1(68,248) v1(68,247) v1(68,244) v1(68,242) v1(68,240) v1(68,237) v1(68,236) v1(68,232) v1(68,232) v1(68,228) v1(68,227) v1(68,224) v1(68,222) v1(68,220) v1(68,217) v1(68,216) v1(68,212) v1(68,212) v1(68,208) v1(68,207) v1(68,204) v1(68,202) v1(68,200) v1(68,197) v1(68,196) v1(68,192) v1(68,192) v1(68,188) v1(68,187) v1(68,184) v1(68,182) v1(68,180) v1(68,177) v1(68,176) v1(68,172) v1(68,172) v1(68,168) v1(68,167) v1(68,164) v1(68,162) v1(68,160) v1(68,157) v1(68,156) v1(68,152) v1(68,152) v1(68,148) v1(68,147) v1(68,144) v1(68,142) v1(68,140) v1(68,137) v1(68,136) v1(68,132) v1(68,132) v1(68,128) v1(68,127) v1(68,124) v1(68,122) v1(68,120) v1(68,117) v1(68,116) v1(68,112) v1(68,112) v1(68,108) v1(68,107) v1(68,104) v1(68,102) v1(68,100) v1(68,97) v1(68,96) v1(68,92) v1(68,92) v1(68,88) v1(68,87) v1(68,84) v1(68,82) v1(68,80) v1(68,77) v1(68,76) v1(68,72) v1(68,72) v1(68,68) v1(68,67) v1(68,64) v1(68,62) v1(68,60) v1(68,57) v1(68,56) v1(68,52) v1(68,52) v1(68,48) v1(68,44) v1(68,42) v1(68,40) v1(68,37) v1(68,36) v1(68,32) v1(68,32) v1(68,28) v1(68,27) v1(68,24) v1(68,22) v1(68,20) v1(68,17) v1(68,16) v1(72,272) v1(72,268) v1(72,264) v1(72,260) v1(72,256) v1(72,252) v1(72,248) v1(72,244) v1(72,240) v1(72,236) v1(72,232) v1(72,228) v1(72,224) v1(72,220) v1(72,216) v1(72,212) v1(72,208) v1(72,204) v1(72,200) v1(72,196) v1(72,192) v1(72,188) v1(72,184) v1(72,180) v1(72,176) v1(72,172) v1(72,168) v1(72,164) v1(72,160) v1(72,156) v1(72,152) v1(72,148) v1(72,144) v1(72,140) v1(72,136) v1(72,132) v1(72,128) v1(72,124) v1(72,120) v1(72,116) v1(72,112) v1(72,108) v1(72,104) v1(72,100) v1(72,96) v1(72,92) v1(72,88) v1(72,84) v1(72,80) v1(72,76) v1(72,72) v1(72,68) v1(72,64) v1(72,60) v1(72,56) v1(72,52) v1(72,48) v1(72,44) v1(72,40) v1(72,36) v1(72,32) v1(72,28) v1(72,24) v1(72,20) v1(72,16) v1(72,12) v1(73,272) v1(73,267) v1(73,262) v1(73,257) v1(73,252) v1(73,247) v1(73,242) v1(73,237) v1(73,232) v1(73,227) v1(73,222) v1(73,217) v1(73,212) v1(73,207) v1(73,202) v1(73,197) v1(73,192) v1(73,187) v1(73,182) v1(73,177) v1(73,172) v1(73,167) v1(73,162) v1(73,157) v1(73,152) v1(73,147) v1(73,142) v1(73,137) v1(73,132) v1(73,127) v1(73,122) v1(73,117) v1(73,112) v1(73,107) v1(73,102) v1(73,97) v1(73,92) v1(73,87) v1(73,82) v1(73,77) v1(73,72) v1(73,67) v1(73,62) v1(73,57) v1(73,52) v1(73,42) v1(73,37) v1(73,32) v1(73,27) v1(73,22) v1(73,17) v1(73,12) v1(76,272) v1(76,268) v1(76,264) v1(76,260) v1(76,256) v1(76,252) v1(76,248) v1(76,244) v1(76,240) v1(76,236) v1(76,232) v1(76,228) v1(76,224) v1(76,220) v1(76,216) v1(76,212) v1(76,208) v1(76,204) v1(76,200) v1(76,196) v1(76,192) v1(76,188) v1(76,184) v1(76,180) v1(76,176) v1(76,172) v1(76,168) v1(76,164) v1(76,160) v1(76,156) v1(76,152) v1(76,148) v1(76,144) v1(76,140) v1(76,136) v1(76,132) v1(76,128) v1(76,124) 